# Altium PCB PCB1.PcbDoc (part 1 of 2) (continued)
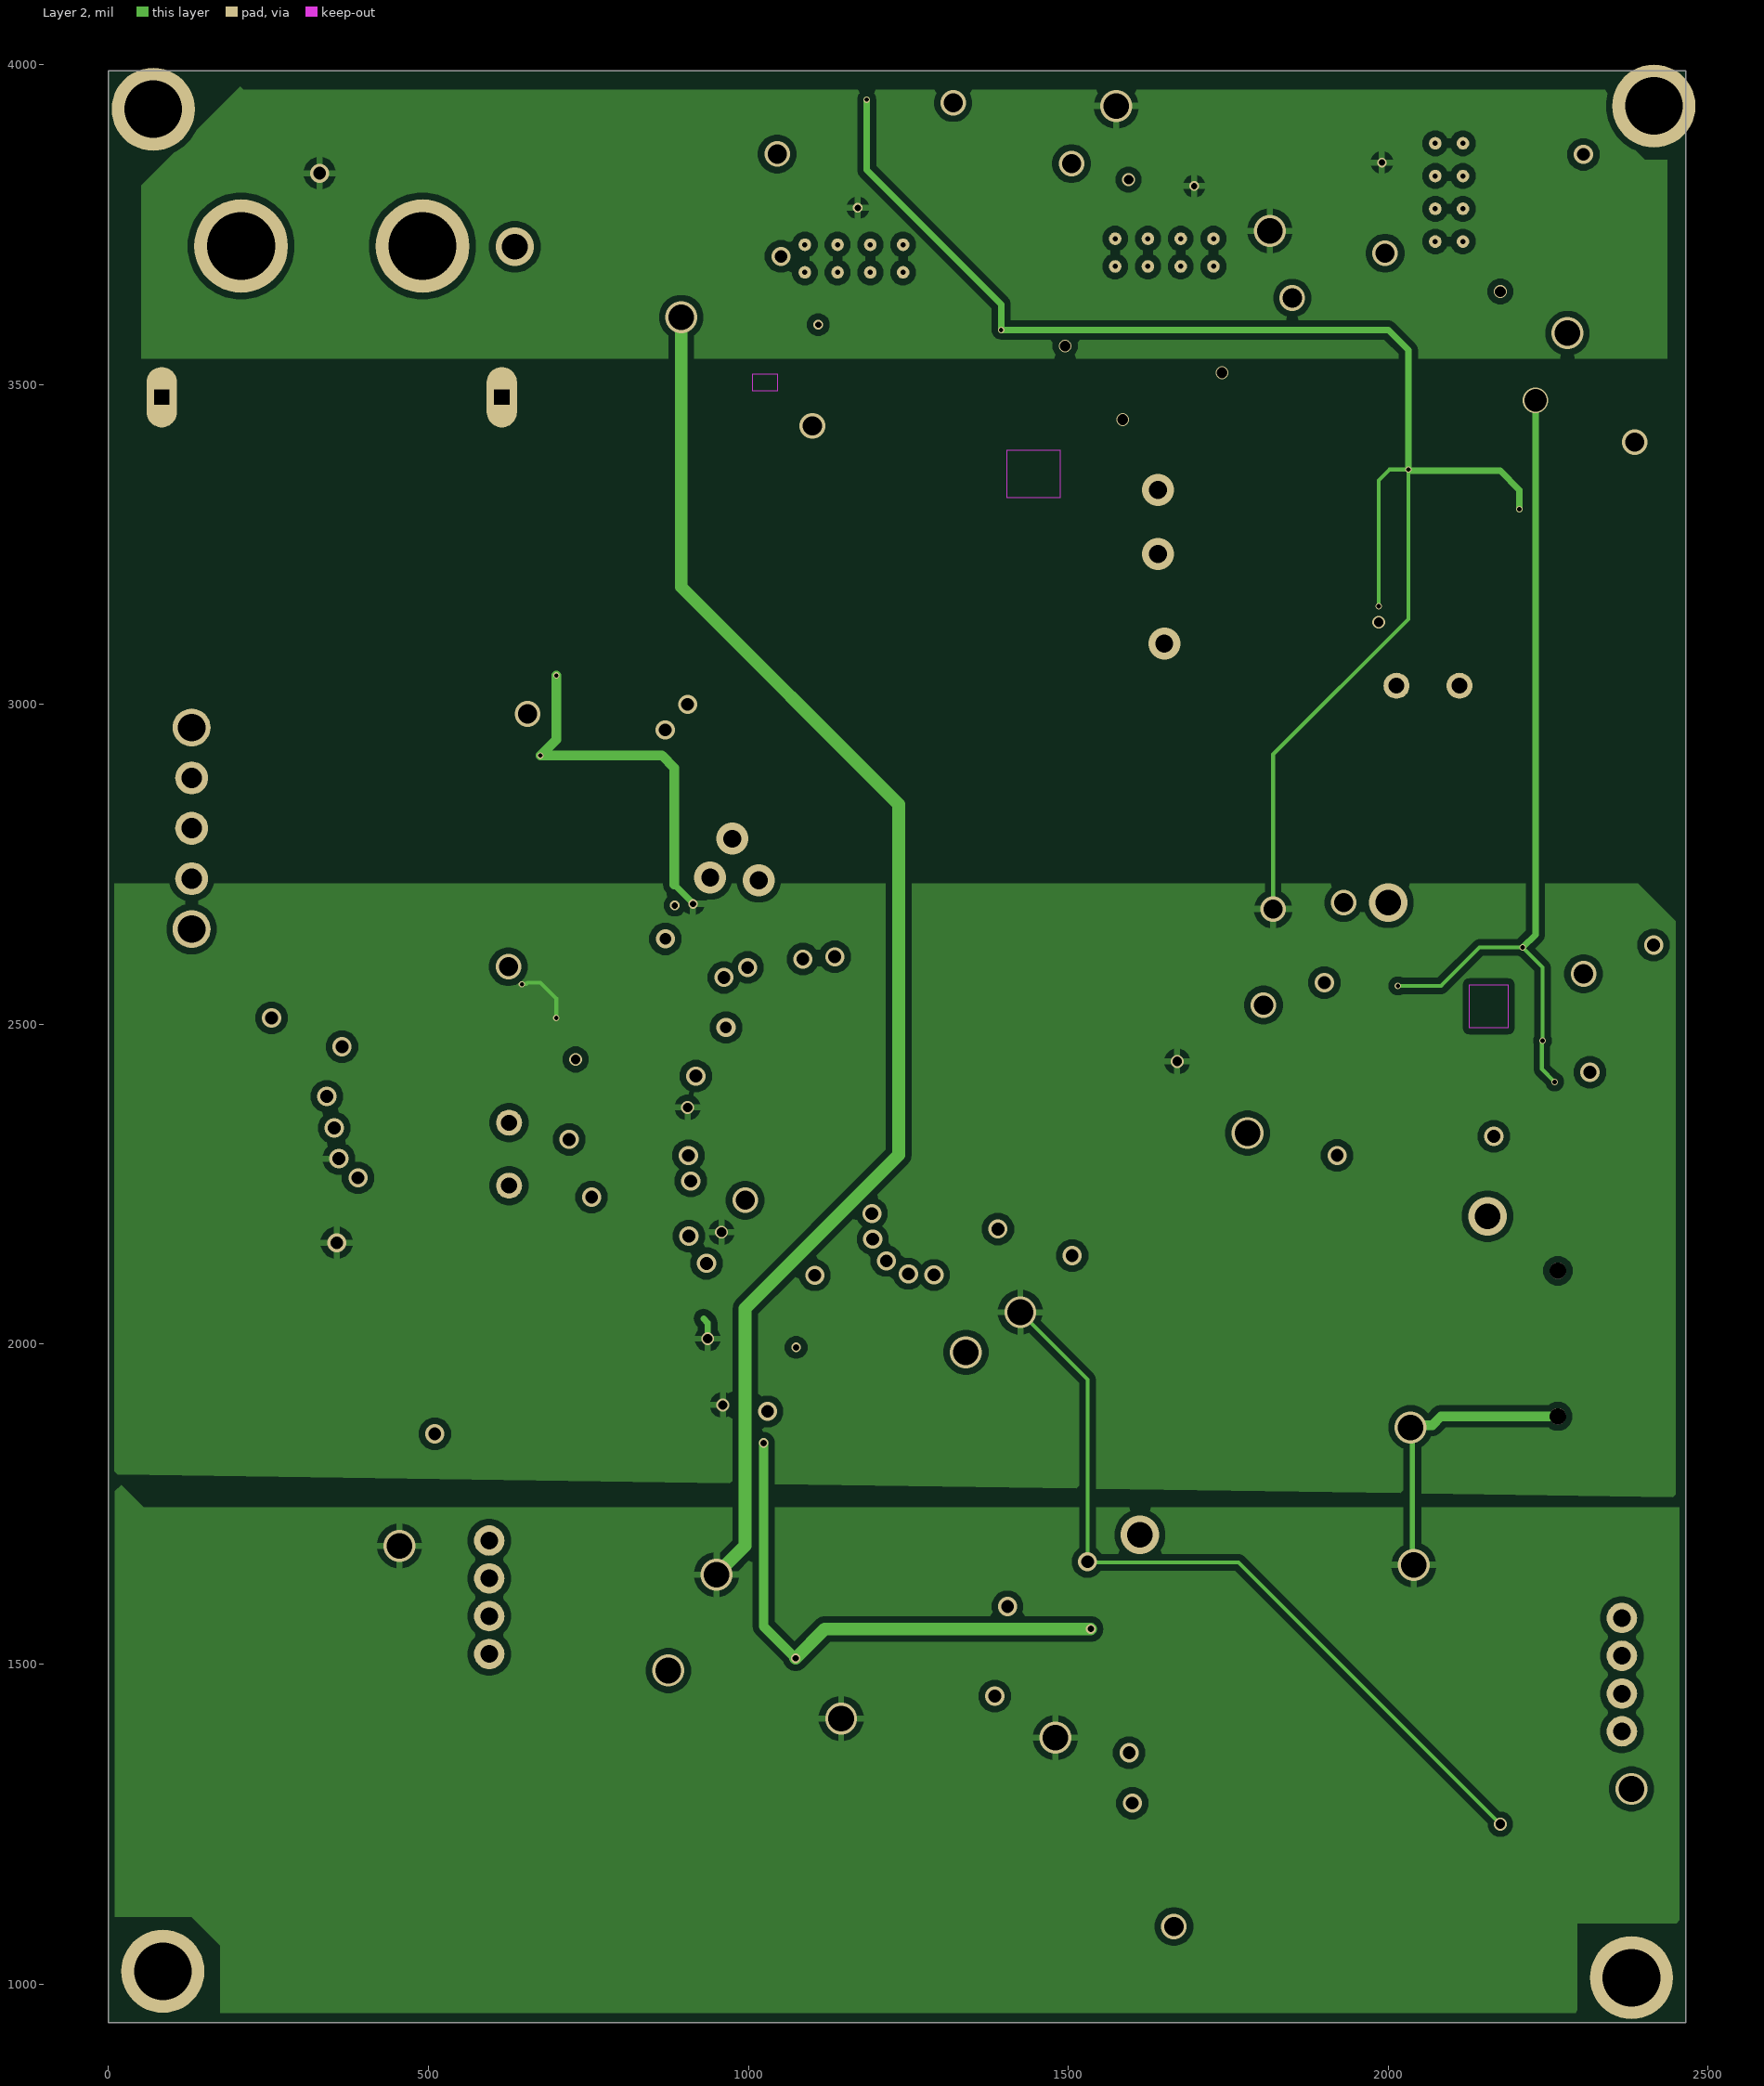
[diagram p3: Layer 2]
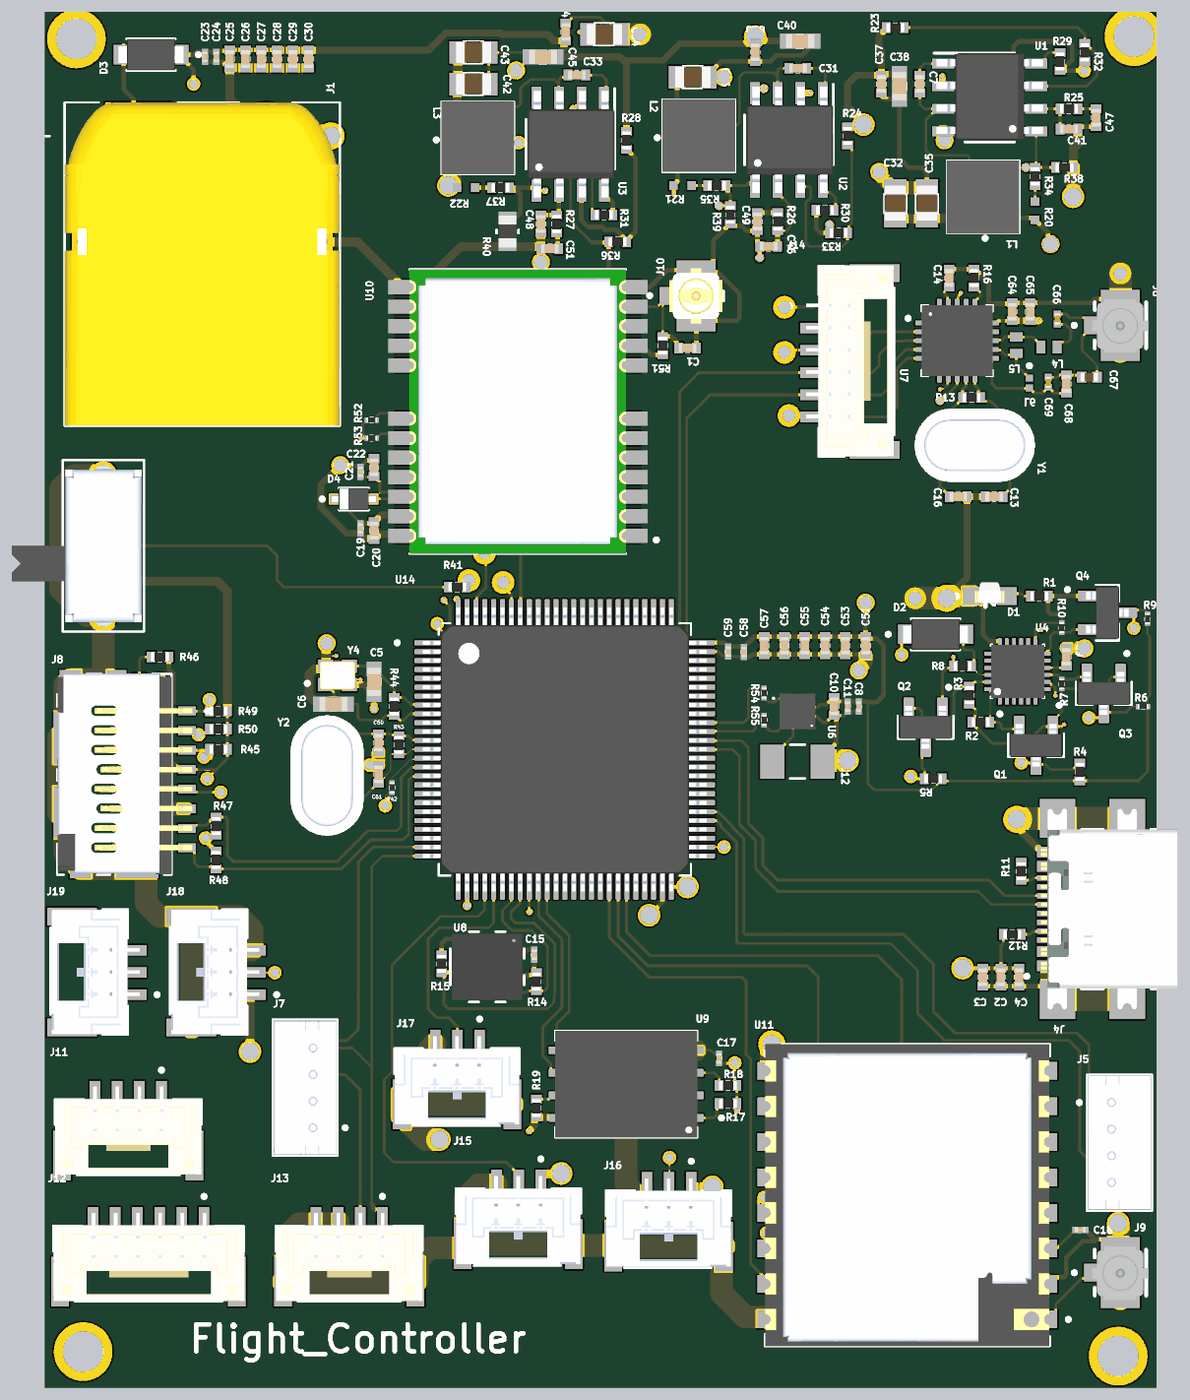
[diagram p5: 3D render of the assembled board from above, using the file's embedded part models]

## Layer stack, top to bottom
Top Solder: solder mask 0.4, Solder Resist, Dk 3.5
Top Layer: signal copper 1.4
Dielectric 2: prepreg 2.8, PP-006, Dk 4.1
Layer 1: signal copper 1.378
Dielectric 1: dielectric 12.6, FR-4, Dk 4.8
Layer 2: signal copper 1.378
Dielectric 3: prepreg 2.8, PP-006, Dk 4.1
Bottom Layer: signal copper 1.4
Bottom Solder: solder mask 0.4, Solder Resist, Dk 3.5

## Board outline
0,940 0,3990 2465,3990 2465,940

## Design rules (kind name [scope] priority, off if disabled: settings)
Clearance [All] p1: gap=10 ignorepadtopadclearanceinfootprint=FALSE
PolygonConnect [All] p1: connectstyle=Relief reliefconductorwidth=10 reliefentries=4 polygonreliefangle="90 Angle" airgapwidth=10
RoutingVias [All] p1: holewidth=13 width=20 viastyle="Through Hole" minholewidth=7 minwidth=10 maxholewidth=70 maxwidth=100
SolderMaskExpansion [All] p1: expansion=4 istentingtop=FALSE
SupplyNets "Schematic Supply Nets_4" [InNet('+3V3')] p1: voltage=0.000
SupplyNets "Schematic Supply Nets_3" [InNet('GND')] p2: voltage=0.000
SupplyNets "Schematic Supply Nets_2" [InNet('+24V')] p3: voltage=0.000
SupplyNets "Schematic Supply Nets_1" [InNet('+1V8')] p4: voltage=0.000
SupplyNets "Schematic Supply Nets" [InNet('+5V')] p5: voltage=0.000
Width [All] p1: maxlimit=50 minlimit=3 preferedwidth=10 midlayer2_minwidth=6 bottomlayer_minwidth=6 minimp=50.000000 maximp=50.000000 favimp=50.000000
30 further rules are at their usual default settings.

## Components (designator, comment, footprint, x,y, rotation, side; value= is the part's Value field where it differs from the comment)
C1 "GRM155R71H103MA88D" "C 0402 (1005 Metric)" 1425,3245 r0 top value=10nF
C2 "GCM155L81E104KE02D" "C 0402 (1005 Metric)" 2120,1850 r90 top value=0.1uF
C3 "GRM155R71H103MA88D" "C 0402 (1005 Metric)" 2080,1850 r90 top value=10nF
C4 "GRM152R60J105ME15D" "C 0402 (1005 Metric)" 2160,1850 r90 top value=1uF
C5 "GCM1885C2A100JA16J" "C 0603 (1608 Metric)" 730,2505 r270 top value=10pF
C6 "GCM1885C2A100JA16J" "C 0603 (1608 Metric)" 640,2455 r180 top value=10pF
C7 "GCM155L81E104KE02D" "C 0402 (1005 Metric)" 1940,3830 r270 top value=0.1uF
C8 "GMC02X7R104K10NT" "C 0201 (0603 Metric)" 1805,2450 r270 top value=100nF
C9 "GCM155L81E104KE02D" "C 0402 (1005 Metric)" 2265,2560 r90 top value=0.1uF
C10 "GRM155R61A106ME11D" "C 0402 (1005 Metric)" 1750,2450 r270 top value=10uF
C11 "GMC02X7R104K10NT" "C 0201 (0603 Metric)" 1780,2450 r270 top value=100nF
C12 "220 µF" CAPC3216X190N 1675,2325 r180 top
C13 "GCM1555C1H220FA16J" "C 0402 (1005 Metric)" 2105,2915 r0 top value=22pF
C14 "GCM155R71C333KA37D" "C 0402 (1005 Metric)" 2005,3400 r90 top value=33nF
C15 "GMC02X7R104K10NT" "C 0201 (0603 Metric)" 1085,1900 r90 top value=100nF
C16 "GCM1555C1H220FA16J" "C 0402 (1005 Metric)" 2025,2915 r180 top value=22pF
C17 "GMC02X7R104K10NT" "C 0201 (0603 Metric)" 1495,1670 r90 top value=100nF
C18 "GRM035R60J475ME15J" "C 0201 (0603 Metric)" 2296.02,1290 r0 top value=4.7uF
C19 "GMC02X7R104K10NT" "C 0201 (0603 Metric)" 700,2845 r270 top value=100nF
C20 "GRM155R61A106ME11D" "C 0402 (1005 Metric)" 730,2840 r270 top value=10uF
C21 "GMC02X7R104K10NT" "C 0201 (0603 Metric)" 700,2970 r90 top value=100nF
C22 "GRM155R61A106ME11D" "C 0402 (1005 Metric)" 730,2980 r90 top value=10uF
C23 "GRM035R60J475ME15J" "C 0201 (0603 Metric)" 355,3890 r90 top value=4.7uF
C24 "GRM035R60J475ME15J" "C 0201 (0603 Metric)" 380,3890 r90 top value=4.7uF
C25 "GRM152R60J105ME15D" "C 0402 (1005 Metric)" 410,3885.31 r90 top value=1uF
C26 "GRM152R60J105ME15D" "C 0402 (1005 Metric)" 445,3885.31 r90 top value=1uF
C27 "GCM155L81E104KE02D" "C 0402 (1005 Metric)" 480,3885.31 r90 top value=0.1uF
C28 "GCM155L81E104KE02D" "C 0402 (1005 Metric)" 515,3885.31 r90 top value=0.1uF
C29 "GRM155R71H103MA88D" "C 0402 (1005 Metric)" 550,3885.31 r90 top value=10nF
C30 "GRM155R71H103MA88D" "C 0402 (1005 Metric)" 585,3885.31 r90 top value=10nF
C31 "GCM155L81E104KE02D" "C 0402 (1005 Metric)" 1670,3865 r180 top value=0.1uF
C32 "GRM21BR61A476ME15L" "C 0805" 1886,3533.91 r90 top value=47uF
C33 "GCM155L81E104KE02D" "C 0402 (1005 Metric)" 1180,3850 r180 top value=0.1uF
C34 "GRM21BR61A476ME15L" "C 0805" 1208.91,3940 r0 top value=47uF
C35 "GRM21BR61A476ME15L" "C 0805" 1956,3533.91 r90 top value=47uF
C36 "GRM21BR61A476ME15L" "C 0805" 1405,3845 r0 top value=47uF
C37 "GCM155L81E104KE02D" "C 0402 (1005 Metric)" 1855,3830 r270 top value=0.1uF
C38 "GRM188C81A106MA73D" "C 0603 (1608 Metric)" 1895,3825 r270 top value=10µF
C39 "GCM155L81E104KE02D" "C 0402 (1005 Metric)" 1575,3900 r270 top value=0.1uF
C40 "GRM188C81A106MA73D" "C 0603 (1608 Metric)" 1675,3925 r0 top value=10µF
C41 "C1005NP02A101J050BA" "C 0402 (1005 Metric)" 2271,3730 r0 top value=100pF
C42 "GRM21BR61A476ME15L" "C 0805" 918.91,3830 r0 top value=47uF
C43 "GRM21BR61A476ME15L" "C 0805" 918.91,3900 r0 top value=47uF
C44 "GCM155L81E104KE02D" "C 0402 (1005 Metric)" 1155,3945 r90 top value=0.1uF
C45 "GRM188C81A106MA73D" "C 0603 (1608 Metric)" 1105,3890 r180 top value=10µF
C46 "C1005NP02A101J050BA" "C 0402 (1005 Metric)" 1605,3470 r180 top value=100pF
C47 "CGA2B2X5R1E103M050BA" "C 0402 (1005 Metric)" 2331,3755 r270 top value=10nF
C48 "C1005NP02A101J050BA" "C 0402 (1005 Metric)" 1100,3520 r270 top value=100pF
C49 "CGA2B2X5R1E103M050BA" "C 0402 (1005 Metric)" 1580,3525 r270 top value=10nF
C51 "CGA2B2X5R1E103M050BA" "C 0402 (1005 Metric)" 1120,3465 r180 top value=10nF
C52 "GRM155R71H103MA88D" "C 0402 (1005 Metric)" 1820,2585 r270 top value=10nF
C53 "GRM155R71H103MA88D" "C 0402 (1005 Metric)" 1775,2585 r270 top value=10nF
C54 "GCM155L81E104KE02D" "C 0402 (1005 Metric)" 1730,2585 r270 top value=0.1uF
C55 "GCM155L81E104KE02D" "C 0402 (1005 Metric)" 1685,2585 r270 top value=0.1uF
C56 "GRM152R60J105ME15D" "C 0402 (1005 Metric)" 1640,2585 r270 top value=1uF
C57 "GRM152R60J105ME15D" "C 0402 (1005 Metric)" 1595,2585 r270 top value=1uF
C58 "GRM035R60J475ME15J" "C 0201 (0603 Metric)" 1550,2571.02 r270 top value=4.7uF
C59 "GRM035R60J475ME15J" "C 0201 (0603 Metric)" 1515,2571.63 r270 top value=4.7uF
C60 "GCM1555C1H220FA16J" "C 0402 (1005 Metric)" 740,2370 r90 top value=22pF
C61 "GCM1555C1H220FA16J" "C 0402 (1005 Metric)" 740,2300 r270 top value=22pF
C64 "GRM155R71H103MA88D" "C 0402 (1005 Metric)" 2145,3325 r90 top value=10nF
C65 "GCM155R71H102KA37D" "C 0402 (1005 Metric)" 2185,3325 r90 top value=1nF
C66 "1.5 pF" CAPC0603X33N 2244,3308.94 r90 top
C67 "1 pF" CAPC1005X55N 2315,3180 r0 top
C68 "GCM155R71H222KA37D" "C 0402 (1005 Metric)" 2265,3165 r90 top value=2.2nF
C69 "4.7 pF" CAPC0603X33N 2226,3168.94 r270 top
D1 "LTST-S270KGKT" LTST-S270KGKT 2095,2695 r180 top
D2 "SMF30A" SOD-123F 1975,2610 r0 top
D3 "SMF30A" SOD-123F 235.47,3895 r180 top
D4 "TDZ5V1J,115" "SC-90, SOD-323F" 685,2910 r0 top value=5.1V
J1 "XT60PW-M" AMASS_XT60PW-M 345,3460 r0 top
J4 "USB4110GFA" USB4110GFA 2340,1995 r90 top
J5 "B4B-ZR(LF)(SN)" B4B-ZR(LF)(SN) 2448,1337 r90 top
J6 "2337019-1" 2337019-1 2385,3295 r270 top
J7 "B4B-ZR(LF)(SN)" B4B-ZR(LF)(SN) 512,1751.11 r270 top
J8 "1051620001" 1051620001 154.17,2299.65 r90 top
J9 "2337019-1" 2337019-1 2385,1195 r270 top
J10 "20279-001E-03" IPEX_20279-001E-03 1430,3360 r270 top
J11 "BM04B-GHS-TBT(LF)(SN)(N)" BM04B-GHS-TBT(LF)(SN)(N) 185,1455 r0 top
J12 "BM06B-GHS-TBT(LF)(SN)(N)" BM06B-GHS-TBT(LF)(SN)(N)#1 230,1175 r0 top
J13 "BM04B-GHS-TBT(LF)(SN)(N)" BM04B-GHS-TBT(LF)(SN)(N) 675,1175 r0 top
J14 "BM06B-GHS-TBT(LF)(SN)(N)" BM06B-GHS-TBT(LF)(SN)(N)#2 1840,3215 r90 top
J15 "BM03B-GHS-TBT(LF)(SN)(N)" BM03B-GHS-TBT(LF)(SN) 1026.18,1258.11 r0 top
J16 "BM03B-GHS-TBT(LF)(SN)(N)" BM03B-GHS-TBT(LF)(SN) 1359.61,1253.11 r0 top
J17 "BM03B-GHS-TBT(LF)(SN)(N)" BM03B-GHS-TBT(LF)(SN) 890.39,1568.11 r0 top
J18 "BM03B-GHS-TBT(LF)(SN)(N)" BM03B-GHS-TBT(LF)(SN) 325,1885 r270 top
J19 "BM03B-GHS-TBT(LF)(SN)(N)" BM03B-GHS-TBT(LF)(SN) 60,1885 r270 top
L1 "74438356150" 74438356150 2081,3580 r90 top value=15uH
L2 "74438356150" 74438356150 1450,3715 r0 top value=15uH
L3 "74438356150" 74438356150 960,3710 r0 top value=15uH
L4 "2.7nH" LQW15AN2N7G8ZD 2225,3245 r0 top
L5 "8.2nH" INDC1006X60N 2150,3245 r90 top
L6 "3.9nH" INDC0603X33N 2180,3170 r270 top
Q1 "BSS138" BSS138 2200,2370 r270 top
Q2 "BSS138" BSS138 1955,2410 r270 top
Q3 "BSS138" BSS138 2350,2485 r270 top
Q4 "BSS138" BSS138 2350,2660 r0 top
R1 "ERA-2ARB102X" "R 0402 (1005 Metric)" 2205,2695 r0 top value=1kR
R2 "ERJ-2GEJ103X" "R 0402 (1005 Metric)" 2075,2415 r0 top value=10kR
R3 "ERJ-2GEJ103X" "R 0402 (1005 Metric)" 2050,2475 r90 top value=10kR
R4 "ERJ-2GEJ103X" "R 0402 (1005 Metric)" 2295,2305 r90 top value=10kR
R5 "ERJ-2GEJ103X" "R 0402 (1005 Metric)" 1970,2290 r180 top value=10kR
R6 "ERJ-1GNF4701C" "R 0201 (0603 Metric)" 2435,2450 r180 top value=4.7kR
R7 "ERJ-1GNF4701C" "R 0201 (0603 Metric)" 2255,2500 r90 top value=4.7kR
R8 "ERJ-2GEJ103X" "R 0402 (1005 Metric)" 2035,2540 r0 top value=10kR
R9 "ERJ-1GNF4701C" "R 0201 (0603 Metric)" 2445,2645 r90 top value=4.7kR
R10 "ERJ-1GNF4701C" "R 0201 (0603 Metric)" 2255,2625 r270 top value=4.7kR
R11 "RT0402BRE0722K1L" "R 0402 (1005 Metric)" 2165,2085 r270 top value=22.1kR
R12 "RT0402BRE0722K1L" "R 0402 (1005 Metric)" 2145,1945 r0 top value=22.1kR
R13 "ERJ-2RKF1004X" "R 0402 (1005 Metric)" 2055,3135 r180 top value=1MR
R14 "ERJ-2RKF4701X" "R 0402 (1005 Metric)" 1090,1840 r270 top value=4.7kR
R15 "ERJ-2RKF4701X" "R 0402 (1005 Metric)" 880,1880 r270 top value=4.7kR
R16 "RT0402BRE0722K1L" "R 0402 (1005 Metric)" 2060,3400 r270 top value=22.1kR
R17 "ERJ-2GEJ103X" "R 0402 (1005 Metric)" 1515,1570 r0 top value=10kR
R18 "ERJ-2GE0R00X" "R 0402 (1005 Metric)" 1515,1610 r180 top value=0mR
R19 "ERJ-2GE0R00X" "R 0402 (1005 Metric)" 1090,1560 r90 top value=0mR
R20 "51.1kR" RES_ERA2AEB5112X 2196,3550 r270 top
R21 "51.1kR" RES_ERA2AEB5112X 1415,3605 r180 top
R22 "51.1kR" RES_ERA2AEB5112X 935,3600 r180 top
R23 "RT0402BRD07220KL" "R 0402 (1005 Metric)" 1886,3955 r0 top value=220kR
R24 "RT0402BRD07220KL" "R 0402 (1005 Metric)" 1780,3715 r270 top value=220kR
R25 "ERJ-2RKF3401X" "R 0402 (1005 Metric)" 2271,3775 r0 top value=3.4kR
R26 "ERJ-2RKF3401X" "R 0402 (1005 Metric)" 1625,3525 r90 top value=3.4kR
R27 "ERJ-2RKF3401X" "R 0402 (1005 Metric)" 1135,3519.69 r270 top value=3.4kR
R28 "RT0402BRD07220KL" "R 0402 (1005 Metric)" 1290,3705 r270 top value=220kR
R29 "RT0402BRD07140KL" "R 0402 (1005 Metric)" 2251,3880 r270 top value=140kR
R30 "RT0402BRD07140KL" "R 0402 (1005 Metric)" 1730,3550 r180 top value=140kR
R31 "RT0402BRD07140KL" "R 0402 (1005 Metric)" 1240,3540 r180 top value=140kR
R32 "ERA-2APB433X" "R 0402 (1005 Metric)" 2306,3900 r270 top value=43kR
R33 "ERA-2APB433X" "R 0402 (1005 Metric)" 1760,3500 r180 top value=43kR
R34 "ERA-2AEB104X" "R 0402 (1005 Metric)" 2196,3625 r90 top value=100kR
R35 "ERA-2AEB104X" "R 0402 (1005 Metric)" 1490,3605 r0 top value=100kR
R36 "ERA-2APB433X" "R 0402 (1005 Metric)" 1270,3480 r180 top value=43kR
R37 "ERA-2AEB104X" "R 0402 (1005 Metric)" 1010,3600 r0 top value=100kR
R38 "RC0402FR-0778K7L" "R 0402 (1005 Metric)" 2261,3645 r0 top value=78.7kR
R39 "TNPW040232K0BEED" "R 0402 (1005 Metric)" 1520,3540 r270 top value=32kR
R40 "19.1kR" RES_ERA3A_0603_PAN 1025,3505 r270 top
R41 "ERJ-2GEJ103X" "R 0402 (1005 Metric)" 914.68,2715 r0 top value=10kR
R42 "RMCF0201ZT0R00" "R 0201 (0603 Metric)" 770,2270 r90 top value=0R
R43 "ERJ-2RKF1004X" "R 0402 (1005 Metric)" 785,2365 r270 top value=1MR
R44 "ERJ-2RKF1004X" "R 0402 (1005 Metric)" 775,2450 r90 top value=1MR
R45 "ERJ-2GEJ103X" "R 0402 (1005 Metric)" 385,2355 r180 top value=10kR
R46 "ERJ-2GEJ103X" "R 0402 (1005 Metric)" 255.32,2560 r180 top value=10kR
R47 "ERJ-2GEJ103X" "R 0402 (1005 Metric)" 380,2185 r90 top value=10kR
R48 "ERJ-2GEJ103X" "R 0402 (1005 Metric)" 380,2110 r270 top value=10kR
R49 "ERJ-2GEJ103X" "R 0402 (1005 Metric)" 385,2440 r180 top value=10kR
R50 "ERJ-2GEJ103X" "R 0402 (1005 Metric)" 385,2400 r180 top value=10kR
R51 "ERJ-2RKF10R0X" "R 0402 (1005 Metric)" 1370,3250 r270 top value=10R
R52 "ERJ-1GNF4701C" "R 0201 (0603 Metric)" 725,3085 r0 top value=4.7kR
R53 "ERJ-1GNF4701C" "R 0201 (0603 Metric)" 725,3045 r0 top value=4.7kR
R54 "ERJ-1GNF4701C" "R 0201 (0603 Metric)" 1595,2480 r270 top value=4.7kR
R55 "ERJ-1GNF4701C" "R 0201 (0603 Metric)" 1595,2420 r270 top value=4.7kR
SW1 "1825232-1" 1825232-1 130,2806.26 r270 top
U1 "TPS54335ADDA" DDA0008E_L 2096,3805 r0 top
U2 "TPS54335ADDA" DDA0008E_L 1655,3705 r270 top
U3 "TPS54335ADDA" DDA0008E_L 1170,3695.65 r270 top
U4 "ICM-20948" ICM-20948 2150,2530 r90 top
U6 "IIS2MDCTR" IIS2MDCTR 1665,2435 r0 top
U7 "nRF24L01" QFN50P400X400X95-21N 2020,3260 r0 top
U8 "BMP180" BMP180 987,1875 r270 top
U9 "W25Q256JVEIQ" SON127P600X800X80-9N 1290,1615 r180 top
U10 "NEO-M9N-00B" XCVR_NEO-M9N-00B 1089.78,3116.06 r180 top
U11 "RA-01H" XCVR_RA-01H 1922.44,1358.85 r180 top
U14 "STM32F750V8T6" QFP50P1600X1600X160-100N 1155,2370 r0 top
Y1 "ECS-160-20-46X" XTAL_ECS-160-20-46X 2060,3025 r0 top
Y2 "ECS-160-20-46X" XTAL_ECS-160-20-46X 630,2295 r90 top
Y4 "ECS-320-8-37CKM" XTAL_ECS-320-8-37CKM 650,2520 r0 top

## Footprints (in the part's own frame and the unit in brackets; to place one, negate y for a bottom-side part, rotate by r counter-clockwise, add the part's x,y. Pads: shape width x height; smd on the part's side, far side on the other; paste and mask are expansions set on the pad)
1825232-1 [mm]
  round 1.308 hole 0.81: 1(-2,0) 2(0,0) 3(2,0)
  round 1.508 hole 1.1: 4(-4,0) 5(4,0)
  silkscreen extent -4.83,-2.29 4.83,2.29, body extent -4.59,-5.15 4.59,2.15, height 3.5
2337019-1 [mm]
  rect 1x1.05 smd: 1(0,-1.525)
  rect 1.05x2.2 smd: G1(-1.475,0) G2(1.475,0)
  silkscreen extent -1.3,-2.7 1.3,1.45, body extent -1.47,-1.56 1.53,1.54, height 1.3
1051620001 [mm]
  rect 1.05x1.08 smd: G1(5.34,-0.135)
  rect 1.05x1.2 smd: G2(5.34,2.475) G3(-5.31,1.905)
  rect 1.05x2.39 smd: G4(-5.31,-1.28)
  rect 0.5x1 smd: P1(3.565,-4.085) P2(2.465,-4.085) P3(1.365,-4.085) P4(0.265,-4.085) P5(-0.835,-4.085) P6(-1.935,-4.085) P7(-3.035,-4.085) P8(-4.135,-4.085)
  rect 0.72x0.78 smd: P9(5.325,-1.405)
  rect 2.91x0.55 smd: SH1(-2.13,3.15) SH2(2.05,3.15)
  silkscreen extent -5.65,-5.35 5.65,3.22, body extent -5.62,-4.39 5.68,3.21, height 1.45
74438356150 [mm]
  rect 0.98x3.7 smd: 1(-1.185,0) 2(1.185,0)
  silkscreen extent -2.44,-2.05 2.05,2.05, body extent -2.05,-2.02 2.05,2.08, height 2.2
AMASS_XT60PW-M [mm]
  rect 3.716x3.716 / inner round 3.716 / far side rect 3.716x3.716 hole 2.7 mask+0.102: 1(-3.498,6.508)
  round 3.716 hole 2.7 mask+0.102: 2(3.702,6.508)
  oval 1.2x2.4 hole 0.6 square mask+0.102: SH1(-6.648,0.508) SH2(6.852,0.508)
  silkscreen extent -9.7,-9.84 7.85,8.36, body extent -7.65,-9.84 7.85,8.36, height 8.4
B4B-ZR(LF)(SN) [mil]
  round 47.56 hole 27.56: 1(235.17,83) 2(176.11,83) 3(117.06,83) 4(58,83)
  silkscreen extent -5,-7 297,158, body extent -1,-4 294,134, height 177
BM03B-GHS-TBT(LF)(SN) [mm]
  rect 0.6x1.7 smd: 1(1.875,3.35) 2(0.625,3.35) 3(-0.625,3.35)
  rect 1x2.8 smd: S1(-2.525,0) S2(3.725,0)
  silkscreen extent -2.93,-1.2 4.13,4.9, body extent -2.9,-1.12 4.1,3.83, height 4.25
BM04B-GHS-TBT(LF)(SN)(N) [mm]
  rect 0.6x1.7 smd: 1(1.875,3.35) 2(0.625,3.35) 3(-0.625,3.35) 4(-1.875,3.35)
  rect 1x2.8 smd: S1(-3.725,0) S2(3.725,0)
  silkscreen extent -4.13,-1.1 4.13,4.9, body extent -4.12,-1.08 4.13,3.87, height 4.15
BM06B-GHS-TBT(LF)(SN)(N)#1 [mm]
  rect 0.6x1.7 smd: 1(3.125,3.35) 2(1.875,3.35) 3(0.625,3.35) 4(-0.625,3.35) 5(-1.875,3.35) 6(-3.125,3.35)
  rect 1x2.8 smd: S1(-4.975,0) S2(4.975,0)
  silkscreen extent -5.38,-1.1 5.38,4.9, body extent -5.35,-1.08 5.4,3.87, height 4.2
BM06B-GHS-TBT(LF)(SN)(N)#2 [mm]
  rect 0.6x1.7 on Mid1: 1(3.125,3.35)
  rect 0.6x1.7 smd: 2(1.875,3.35) 3(0.625,3.35) 4(-0.625,3.35) 5(-1.875,3.35) 6(-3.125,3.35)
  rect 1x2.8 smd: S1(-4.975,0) S2(4.975,0)
  silkscreen extent -5.38,-1.1 5.38,4.9, body extent -5.35,-1.08 5.4,3.87, height 4.2
BMP180 [mil]